# KiCad board panelized.kicad_pcb (continued)
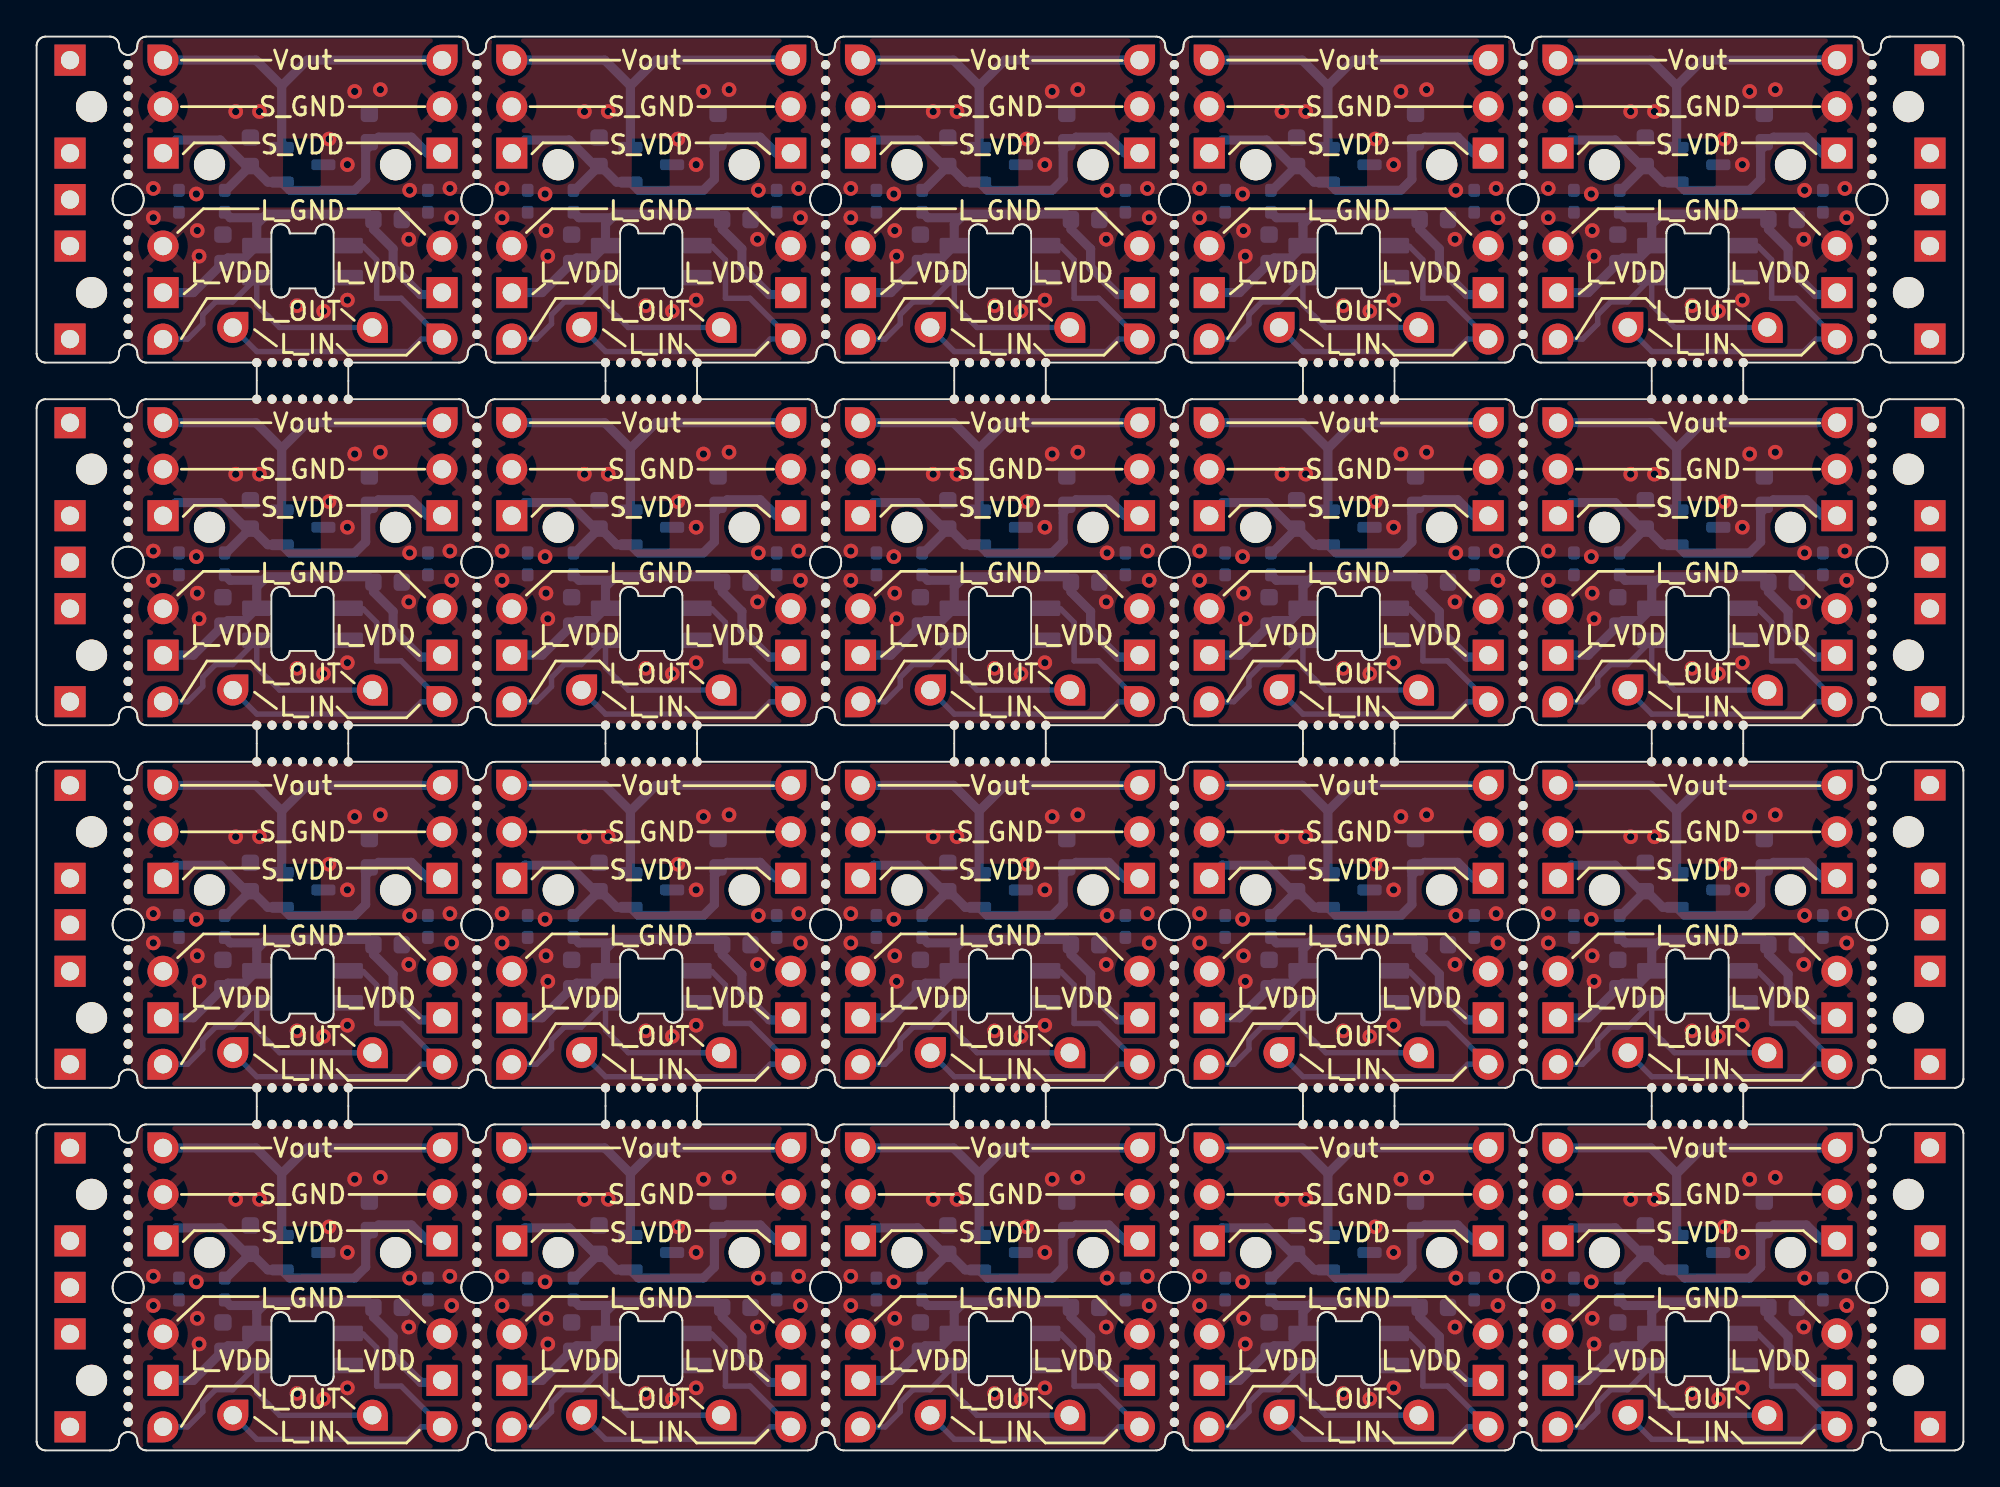
[diagram p0: board, top side]
## Routing (per net, layer and track width the routed paths; a pad name or vN(x,y) marks a point on that pad's centre or on a via; arc(x,y) is an arc through that point) (continued)
Board_3-VDDA: length 21.1
  Bottom w0.5: R3#13.2 67.5,68.84 C4#7.2 ; J6#12.1 78.5,70.88 77.62,71.74 75.82,71.74 75.12,71.04 75.12,69.44 74.53,68.84 70.98,68.84 U1#20.1 69.78,69.29 68.9,70.17 C4#7.2 ; C4#7.2 68.6,70.17 67.18,71.59 64.77,71.59 J5#6.1
Board_3-Vout: length 19.8
  Bottom w0.5: 70.54,74.55 69.13,75.95 J10#4.1 ; 70.54,74.55 71.94,75.95 J9#12.1 ; 70.54,74.55 U1#20.2
Board_4-GNDA:
  vias: v1(82.57,68.94) v1(84.93,68.64) v1(87.07,73.14) v1(88.38,73.14) v1(92.18,71.64) v1(93.18,70.24) v1(93.57,74.24) v1(94.97,74.34) v1(96.57,68.84) v1(98.78,68.94)
Board_4-GNDD:
  vias: v1(82.57,67.34) v1(84.97,66.64) v1(85.07,65.24) v1(90.43,62.54) v1(91.88,62.24) v1(93.18,62.84) v1(96.53,66.17) v1(98.88,67.34)
Board_4-LED_IN: length 20.7
  Bottom w0.3: J13#10.1 88.23,60.03 96.54,60.03 97.22,60.71 J14#7.1 96.12,62.94 94.78,62.94 94.78,65.04 94.04,65.78 93.27,65.78 D1#7.4 93.24,65.82
Board_4-LED_OUT: length 15.1
  Bottom w0.3: J12#14.1 84.44,60.71 85.28,61.54 85.28,62.04 85.97,62.74 86.9,62.74 D1#7.2 88.22,62.58 88.82,61.98 88.84,61.98 89.47,61.35 J11#3.1
Board_4-VDD: length 22.7
  Bottom w0.5: R3#8.1 86.78,67.34 88.57,67.34 ; J1#13.1 98.24,63.14 97.18,63.14 95.68,64.64 95.68,65.64 94.6,66.72 C2#9.2 94.31,67.54 88.77,67.54 88.57,67.34 ; 88.57,67.34 88.22,66.99 D1#7.1 87.55,65.14 86.65,65.14 C1#2.2 84.76,63.25 J2#10.1
Board_4-VDDA: length 21.1
  Bottom w0.5: R3#8.2 86.55,68.84 C4.2 ; J6#10.1 97.54,70.88 96.68,71.74 94.88,71.74 94.18,71.04 94.18,69.44 93.57,68.84 90.03,68.84 U1#9.1 88.83,69.29 87.95,70.17 C4.2 ; C4.2 87.65,70.17 86.23,71.59 83.82,71.59 J5#4.1
Board_4-Vout: length 19.8
  Bottom w0.5: 89.59,74.55 88.19,75.95 J10#6.1 ; 89.59,74.55 90.99,75.95 J9#14.1 ; 89.59,74.55 U1#9.2
Board_5-GNDA:
  vias: v1(6.38,49.13) v1(8.72,48.83) v1(10.88,53.33) v1(12.17,53.33) v1(15.97,51.83) v1(16.97,50.43) v1(17.38,54.43) v1(18.78,54.53) v1(20.38,49.03) v1(22.58,49.13)
Board_5-GNDD:
  vias: v1(6.38,47.53) v1(8.78,46.83) v1(8.88,45.43) v1(14.22,42.73) v1(15.67,42.43) v1(16.97,43.03) v1(20.33,46.36) v1(22.67,47.53)
Board_5-LED_IN: length 20.7
  Bottom w0.3: J13#18.1 12.03,40.22 20.34,40.22 21.02,40.9 J14#5.1 19.92,43.13 18.58,43.13 18.58,45.23 17.84,45.97 17.07,45.97 D1#11.4 17.04,46.01
Board_5-LED_OUT: length 15.1
  Bottom w0.3: J12#11.1 8.25,40.9 9.08,41.73 9.08,42.23 9.78,42.93 10.7,42.93 D1#11.2 12.03,42.77 12.62,42.17 12.64,42.17 13.27,41.54 J11#13.1
Board_5-VDD: length 22.7
  Bottom w0.5: R3#3.1 10.58,47.53 12.38,47.53 ; J1#15.1 22.03,43.33 20.97,43.33 19.47,44.83 19.47,45.83 18.4,46.91 18.4,47.43 18.11,47.73 12.57,47.73 12.38,47.53 ; 12.38,47.53 12.03,47.18 D1#11.1 11.35,45.33 10.45,45.33 C1#17.2 8.56,43.44 J2#6.1
Board_5-VDDA: length 21.1
  Bottom w0.5: R3#3.2 10.35,49.03 C4#2.2 ; J6#13.1 21.34,51.06 20.47,51.93 18.67,51.93 17.97,51.23 17.97,49.63 17.38,49.03 13.83,49.03 U1#4.1 12.63,49.48 11.75,50.36 C4#2.2 ; C4#2.2 11.45,50.36 10.03,51.78 7.62,51.78 J5.1
Board_5-Vout: length 19.8
  Bottom w0.5: 13.39,54.74 11.98,56.14 J10#13.1 ; 13.39,54.74 14.79,56.14 J9#17.1 ; 13.39,54.74 U1#4.2
Board_6-GNDA:
  vias: v1(25.42,49.13) v1(27.78,48.83) v1(29.92,53.33) v1(31.22,53.33) v1(35.03,51.83) v1(36.03,50.43) v1(36.43,54.43) v1(37.82,54.53) v1(39.43,49.03) v1(41.62,49.13)
Board_6-GNDD:
  vias: v1(25.42,47.53) v1(27.83,46.83) v1(27.92,45.43) v1(33.28,42.73) v1(34.72,42.43) v1(36.03,43.03) v1(39.38,46.36) v1(41.72,47.53)
Board_6-LED_IN: length 20.7
  Bottom w0.3: J13#17.1 31.08,40.22 39.39,40.22 40.07,40.9 J14#16.1 38.97,43.13 37.62,43.13 37.62,45.23 36.89,45.97 36.12,45.97 D1#5.4 36.09,46.01
Board_6-LED_OUT: length 15.1
  Bottom w0.3: J12#2.1 27.3,40.9 28.12,41.73 28.12,42.23 28.83,42.93 29.75,42.93 D1#5.2 31.08,42.77 31.67,42.17 31.69,42.17 32.32,41.54 J11.1
Board_6-VDD: length 22.7
  Bottom w0.5: R3#10.1 29.63,47.53 31.42,47.53 ; J1#3.1 41.09,43.33 40.03,43.33 38.53,44.83 38.53,45.83 37.45,46.91 C2#7.2 37.16,47.73 31.62,47.73 31.42,47.53 ; 31.42,47.53 31.08,47.18 D1#5.1 30.4,45.33 29.5,45.33 C1#13.2 27.61,43.44 J2#7.1
Board_6-VDDA: length 21.1
  Bottom w0.5: R3#10.2 29.4,49.03 C4#11.2 ; J6#3.1 40.4,51.06 39.53,51.93 37.72,51.93 37.03,51.23 37.03,49.63 36.43,49.03 32.88,49.03 U1#8.1 31.68,49.48 30.8,50.36 C4#11.2 ; C4#11.2 30.5,50.36 29.08,51.78 26.67,51.78 J5#17.1
Board_6-Vout: length 19.8
  Bottom w0.5: 32.44,54.74 31.03,56.14 J10#15.1 ; 32.44,54.74 33.84,56.14 J9#20.1 ; 32.44,54.74 U1#8.2
Board_7-GNDA:
  vias: v1(44.47,49.13) v1(46.82,48.83) v1(48.97,53.33) v1(50.28,53.33) v1(54.07,51.83) v1(55.07,50.43) v1(55.47,54.43) v1(56.88,54.53) v1(58.47,49.03) v1(60.68,49.13)
Board_7-GNDD:
  vias: v1(44.47,47.53) v1(46.88,46.83) v1(46.97,45.43) v1(52.32,42.73) v1(53.78,42.43) v1(55.07,43.03) v1(58.43,46.36) v1(60.78,47.53)
Board_7-LED_IN: length 20.7
  Bottom w0.3: J13#13.1 50.13,40.22 58.44,40.22 59.12,40.9 J14#9.1 58.01,43.13 56.68,43.13 56.68,45.23 55.94,45.97 55.17,45.97 D1#15.4 55.14,46.01
Board_7-LED_OUT: length 15.1
  Bottom w0.3: J12#8.1 46.34,40.9 47.18,41.73 47.18,42.23 47.88,42.93 48.8,42.93 D1#15.2 50.12,42.77 50.72,42.17 50.74,42.17 51.37,41.54 J11#16.1
Board_7-VDD: length 22.7
  Bottom w0.5: R3#2.1 48.68,47.53 50.47,47.53 ; J1#19.1 60.13,43.33 59.07,43.33 57.57,44.83 57.57,45.83 56.5,46.91 C2#15.2 56.21,47.73 50.67,47.73 50.47,47.53 ; 50.47,47.53 50.12,47.18 D1#15.1 49.45,45.33 48.55,45.33 C1#15.2 46.66,43.44 J2#19.1
Board_7-VDDA: length 21.1
  Bottom w0.5: R3#2.2 48.45,49.03 C4#20.2 ; J6#4.1 59.44,51.06 58.57,51.93 56.78,51.93 56.07,51.23 56.07,49.63 55.47,49.03 51.93,49.03 U1#2.1 50.73,49.48 49.85,50.36 C4#20.2 ; C4#20.2 49.55,50.36 48.13,51.78 45.72,51.78 J5#18.1
Board_7-Vout: length 19.8
  Bottom w0.5: 51.49,54.74 50.09,56.14 J10#11.1 ; 51.49,54.74 52.89,56.14 J9#10.1 ; 51.49,54.74 U1#2.2
Board_8-GNDA:
  vias: v1(63.53,49.13) v1(65.88,48.83) v1(68.03,53.33) v1(69.32,53.33) v1(73.12,51.83) v1(74.12,50.43) v1(74.53,54.43) v1(75.93,54.53) v1(77.53,49.03) v1(79.72,49.13)
Board_8-GNDD:
  vias: v1(63.53,47.53) v1(65.93,46.83) v1(66.03,45.43) v1(71.38,42.73) v1(72.82,42.43) v1(74.12,43.03) v1(77.48,46.36) v1(79.82,47.53)
Board_8-LED_IN: length 20.7
  Bottom w0.3: J13#14.1 69.18,40.22 77.49,40.22 78.17,40.9 J14#19.1 77.06,43.13 75.72,43.13 75.72,45.23 74.99,45.97 74.22,45.97 D1#16.4 74.19,46.01
Board_8-LED_OUT: length 15.1
  Bottom w0.3: J12#17.1 65.4,40.9 66.22,41.73 66.22,42.23 66.93,42.93 67.85,42.93 D1#16.2 69.18,42.77 69.77,42.17 69.78,42.17 70.42,41.54 J11#14.1
Board_8-VDD: length 22.7
  Bottom w0.5: R3#4.1 67.73,47.53 69.53,47.53 ; J1#10.1 79.19,43.33 78.12,43.33 76.62,44.83 76.62,45.83 75.55,46.91 C2#18.2 75.25,47.73 69.72,47.73 69.53,47.53 ; 69.53,47.53 69.18,47.18 D1#16.1 68.5,45.33 67.6,45.33 C1#19.2 65.71,43.44 J2#12.1
Board_8-VDDA: length 21.1
  Bottom w0.5: R3#4.2 67.5,49.03 C4#4.2 ; J6#17.1 78.5,51.06 77.62,51.93 75.82,51.93 75.12,51.23 75.12,49.63 74.53,49.03 70.98,49.03 U1#5.1 69.78,49.48 68.9,50.36 C4#4.2 ; C4#4.2 68.6,50.36 67.18,51.78 64.77,51.78 J5#19.1
Board_8-Vout: length 19.8
  Bottom w0.5: 70.54,54.74 69.13,56.14 J10#7.1 ; 70.54,54.74 71.94,56.14 J9#9.1 ; 70.54,54.74 U1#5.2
Board_9-GNDA:
  vias: v1(82.57,49.13) v1(84.93,48.83) v1(87.07,53.33) v1(88.38,53.33) v1(92.18,51.83) v1(93.18,50.43) v1(93.57,54.43) v1(94.97,54.53) v1(96.57,49.03) v1(98.78,49.13)
Board_9-GNDD:
  vias: v1(82.57,47.53) v1(84.97,46.83) v1(85.07,45.43) v1(90.43,42.73) v1(91.88,42.43) v1(93.18,43.03) v1(96.53,46.36) v1(98.88,47.53)
Board_9-LED_IN: length 20.7
  Bottom w0.3: J13#5.1 88.23,40.22 96.54,40.22 97.22,40.9 J14#6.1 96.12,43.13 94.78,43.13 94.78,45.23 94.04,45.97 93.27,45.97 D1#4.4 93.24,46.01
Board_9-LED_OUT: length 15.1
  Bottom w0.3: J12#19.1 84.44,40.9 85.28,41.73 85.28,42.23 85.97,42.93 86.9,42.93 D1#4.2 88.22,42.77 88.82,42.17 88.84,42.17 89.47,41.54 J11#8.1
Board_9-VDD: length 22.7
  Bottom w0.5: R3#17.1 86.78,47.53 88.57,47.53 ; J1#6.1 98.24,43.33 97.18,43.33 95.68,44.83 95.68,45.83 94.6,46.91 C2#3.2 94.31,47.73 88.77,47.73 88.57,47.53 ; 88.57,47.53 88.22,47.18 D1#4.1 87.55,45.33 86.65,45.33 C1#14.2 84.76,43.44 J2#17.1
Board_9-VDDA: length 21.1
  Bottom w0.5: R3#17.2 86.55,49.03 C4#9.2 ; J6#8.1 97.54,51.06 96.68,51.93 94.88,51.93 94.18,51.23 94.18,49.63 93.57,49.03 90.03,49.03 U1#10.1 88.83,49.48 87.95,50.36 C4#9.2 ; C4#9.2 87.65,50.36 86.23,51.78 83.82,51.78 J5#5.1
Board_9-Vout: length 19.8
  Bottom w0.5: 89.59,54.74 88.19,56.14 J10#3.1 ; 89.59,54.74 90.99,56.14 J9#6.1 ; 89.59,54.74 U1#10.2
Board_10-GNDA:
  vias: v1(6.38,29.32) v1(8.72,29.02) v1(10.88,33.52) v1(12.17,33.52) v1(15.97,32.02) v1(16.97,30.62) v1(17.38,34.62) v1(18.78,34.72) v1(20.38,29.22) v1(22.58,29.32)
Board_10-GNDD:
  vias: v1(6.38,27.72) v1(8.78,27.02) v1(8.88,25.62) v1(14.22,22.92) v1(15.67,22.62) v1(16.97,23.22) v1(20.33,26.55) v1(22.67,27.72)
Board_10-LED_IN: length 20.7
  Bottom w0.3: J13#9.1 12.03,20.41 20.34,20.41 21.02,21.09 J14#11.1 19.92,23.32 18.58,23.32 18.58,25.42 17.84,26.16 17.07,26.16 D1#18.4 17.04,26.2
Board_10-LED_OUT: length 15.1
  Bottom w0.3: J12#6.1 8.25,21.09 9.08,21.92 9.08,22.42 9.78,23.12 10.7,23.12 D1#18.2 12.03,22.96 12.62,22.36 12.64,22.36 13.27,21.73 J11#15.1
Board_10-VDD: length 22.7
  Bottom w0.5: R3#14.1 10.58,27.72 12.38,27.72 ; J1#2.1 22.03,23.52 20.97,23.52 19.47,25.02 19.47,26.02 18.4,27.1 18.4,27.62 18.11,27.92 12.57,27.92 12.38,27.72 ; 12.38,27.72 12.03,27.38 D1#18.1 11.35,25.52 10.45,25.52 C1#4.2 8.56,23.63 J2#20.1
Board_10-VDDA: length 21.1
  Bottom w0.5: R3#14.2 10.35,29.22 C4#15.2 ; J6#11.1 21.34,31.25 20.47,32.12 18.67,32.12 17.97,31.42 17.97,29.82 17.38,29.22 13.83,29.22 U1#3.1 12.63,29.67 11.75,30.55 C4#15.2 ; C4#15.2 11.45,30.55 10.03,31.97 7.62,31.97 J5#10.1
Board_10-Vout: length 19.8
  Bottom w0.5: 13.39,34.93 11.98,36.33 J10#18.1 ; 13.39,34.93 14.79,36.33 J9.1 ; 13.39,34.93 U1#3.2
Board_11-GNDA:
  vias: v1(25.42,29.32) v1(27.78,29.02) v1(29.92,33.52) v1(31.22,33.52) v1(35.03,32.02) v1(36.03,30.62) v1(36.43,34.62) v1(37.82,34.72) v1(39.43,29.22) v1(41.62,29.32)
Board_11-GNDD:
  vias: v1(25.42,27.72) v1(27.83,27.02) v1(27.92,25.62) v1(33.28,22.92) v1(34.72,22.62) v1(36.03,23.22) v1(39.38,26.55) v1(41.72,27.72)
Board_11-LED_IN: length 20.7
  Bottom w0.3: J13#19.1 31.08,20.41 39.39,20.41 40.07,21.09 J14#12.1 38.97,23.32 37.62,23.32 37.62,25.42 36.89,26.16 36.12,26.16 D1#19.4 36.09,26.2
Board_11-LED_OUT: length 15.1
  Bottom w0.3: J12#18.1 27.3,21.09 28.12,21.92 28.12,22.42 28.83,23.12 29.75,23.12 D1#19.2 31.08,22.96 31.67,22.36 31.69,22.36 32.32,21.73 J11#9.1
Board_11-VDD: length 22.7
  Bottom w0.5: R3#15.1 29.63,27.72 31.42,27.72 ; J1#20.1 41.09,23.52 40.03,23.52 38.53,25.02 38.53,26.02 37.45,27.1 C2#11.2 37.16,27.92 31.62,27.92 31.42,27.72 ; 31.42,27.72 31.08,27.38 D1#19.1 30.4,25.52 29.5,25.52 C1#7.2 27.61,23.63 J2#5.1
Board_11-VDDA: length 21.1
  Bottom w0.5: R3#15.2 29.4,29.22 C4#12.2 ; J6#18.1 40.4,31.25 39.53,32.12 37.72,32.12 37.03,31.42 37.03,29.82 36.43,29.22 32.88,29.22 U1#7.1 31.68,29.67 30.8,30.55 C4#12.2 ; C4#12.2 30.5,30.55 29.08,31.97 26.67,31.97 J5#16.1
Board_11-Vout: length 19.8
  Bottom w0.5: 32.44,34.93 31.03,36.33 J10#19.1 ; 32.44,34.93 33.84,36.33 J9#2.1 ; 32.44,34.93 U1#7.2
Board_12-GNDA:
  vias: v1(44.47,29.32) v1(46.82,29.02) v1(48.97,33.52) v1(50.28,33.52) v1(54.07,32.02) v1(55.07,30.62) v1(55.47,34.62) v1(56.88,34.72) v1(58.47,29.22) v1(60.68,29.32)
Board_12-GNDD:
  vias: v1(44.47,27.72) v1(46.88,27.02) v1(46.97,25.62) v1(52.32,22.92) v1(53.78,22.62) v1(55.07,23.22) v1(58.43,26.55) v1(60.78,27.72)
Board_12-LED_IN: length 20.7
  Bottom w0.3: J13.1 50.13,20.41 58.44,20.41 59.12,21.09 J14#8.1 58.01,23.32 56.68,23.32 56.68,25.42 55.94,26.16 55.17,26.16 D1#10.4 55.14,26.2
Board_12-LED_OUT: length 15.1
  Bottom w0.3: J12#7.1 46.34,21.09 47.18,21.92 47.18,22.42 47.88,23.12 48.8,23.12 D1#10.2 50.12,22.96 50.72,22.36 50.74,22.36 51.37,21.73 J11#11.1
Board_12-VDD: length 22.7
  Bottom w0.5: R3#5.1 48.68,27.72 50.47,27.72 ; J1#16.1 60.13,23.52 59.07,23.52 57.57,25.02 57.57,26.02 56.5,27.1 C2#6.2 56.21,27.92 50.67,27.92 50.47,27.72 ; 50.47,27.72 50.12,27.38 D1#10.1 49.45,25.52 48.55,25.52 C1.2 46.66,23.63 J2#4.1
Board_12-VDDA: length 21.1
  Bottom w0.5: R3#5.2 48.45,29.22 C4#8.2 ; J6#16.1 59.44,31.25 58.57,32.12 56.78,32.12 56.07,31.42 56.07,29.82 55.47,29.22 51.93,29.22 U1#6.1 50.73,29.67 49.85,30.55 C4#8.2 ; C4#8.2 49.55,30.55 48.13,31.97 45.72,31.97 J5#8.1
Board_12-Vout: length 19.8
  Bottom w0.5: 51.49,34.93 50.09,36.33 J10#14.1 ; 51.49,34.93 52.89,36.33 J9#19.1 ; 51.49,34.93 U1#6.2
Board_13-GNDA:
  vias: v1(63.53,29.32) v1(65.88,29.02) v1(68.03,33.52) v1(69.32,33.52) v1(73.12,32.02) v1(74.12,30.62) v1(74.53,34.62) v1(75.93,34.72) v1(77.53,29.22) v1(79.72,29.32)
Board_13-GNDD:
  vias: v1(63.53,27.72) v1(65.93,27.02) v1(66.03,25.62) v1(71.38,22.92) v1(72.82,22.62) v1(74.12,23.22) v1(77.48,26.55) v1(79.82,27.72)
Board_13-LED_IN: length 20.7
  Bottom w0.3: J13#2.1 69.18,20.41 77.49,20.41 78.17,21.09 J14#10.1 77.06,23.32 75.72,23.32 75.72,25.42 74.99,26.16 74.22,26.16 D1#20.4 74.19,26.2
Board_13-LED_OUT: length 15.1
  Bottom w0.3: J12#3.1 65.4,21.09 66.22,21.92 66.22,22.42 66.93,23.12 67.85,23.12 D1#20.2 69.18,22.96 69.77,22.36 69.78,22.36 70.42,21.73 J11#12.1
Board_13-VDD: length 22.7
  Bottom w0.5: R3#20.1 67.73,27.72 69.53,27.72 ; J1#12.1 79.19,23.52 78.12,23.52 76.62,25.02 76.62,26.02 75.55,27.1 C2#12.2 75.25,27.92 69.72,27.92 69.53,27.72 ; 69.53,27.72 69.18,27.38 D1#20.1 68.5,25.52 67.6,25.52 C1#20.2 65.71,23.63 J2#18.1
Board_13-VDDA: length 21.1
  Bottom w0.5: R3#20.2 67.5,29.22 C4#18.2 ; J6#9.1 78.5,31.25 77.62,32.12 75.82,32.12 75.12,31.42 75.12,29.82 74.53,29.22 70.98,29.22 U1#13.1 69.78,29.67 68.9,30.55 C4#18.2 ; C4#18.2 68.6,30.55 67.18,31.97 64.77,31.97 J5#12.1
Board_13-Vout: length 19.8
  Bottom w0.5: 70.54,34.93 69.13,36.33 J10#16.1 ; 70.54,34.93 71.94,36.33 J9#18.1 ; 70.54,34.93 U1#13.2
Board_14-GNDA:
  vias: v1(82.57,29.32) v1(84.93,29.02) v1(87.07,33.52) v1(88.38,33.52) v1(92.18,32.02) v1(93.18,30.62) v1(93.57,34.62) v1(94.97,34.72) v1(96.57,29.22) v1(98.78,29.32)
Board_14-GNDD:
  vias: v1(82.57,27.72) v1(84.97,27.02) v1(85.07,25.62) v1(90.43,22.92) v1(91.88,22.62) v1(93.18,23.22) v1(96.53,26.55) v1(98.88,27.72)
Board_14-LED_IN: length 20.7
  Bottom w0.3: J13#12.1 88.23,20.41 96.54,20.41 97.22,21.09 J14#17.1 96.12,23.32 94.78,23.32 94.78,25.42 94.04,26.16 93.27,26.16 D1#17.4 93.24,26.2
Board_14-LED_OUT: length 15.1
  Bottom w0.3: J12#9.1 84.44,21.09 85.28,21.92 85.28,22.42 85.97,23.12 86.9,23.12 D1#17.2 88.22,22.96 88.82,22.36 88.84,22.36 89.47,21.73 J11#4.1
Board_14-VDD: length 22.7
  Bottom w0.5: R3#18.1 86.78,27.72 88.57,27.72 ; J1.1 98.24,23.52 97.18,23.52 95.68,25.02 95.68,26.02 94.6,27.1 C2#17.2 94.31,27.92 88.77,27.92 88.57,27.72 ; 88.57,27.72 88.22,27.38 D1#17.1 87.55,25.52 86.65,25.52 C1#6.2 84.76,23.63 J2.1
Board_14-VDDA: length 21.1
  Bottom w0.5: R3#18.2 86.55,29.22 C4#10.2 ; J6#15.1 97.54,31.25 96.68,32.12 94.88,32.12 94.18,31.42 94.18,29.82 93.57,29.22 90.03,29.22 U1#14.1 88.83,29.67 87.95,30.55 C4#10.2 ; C4#10.2 87.65,30.55 86.23,31.97 83.82,31.97 J5#14.1
Board_14-Vout: length 19.8
  Bottom w0.5: 89.59,34.93 88.19,36.33 J10#8.1 ; 89.59,34.93 90.99,36.33 J9#5.1 ; 89.59,34.93 U1#14.2
Board_15-GNDA:
  vias: v1(6.38,9.52) v1(8.72,9.21) v1(10.88,13.71) v1(12.17,13.71) v1(15.97,12.21) v1(16.97,10.81) v1(17.38,14.81) v1(18.78,14.91) v1(20.38,9.41) v1(22.58,9.52)
Board_15-GNDD:
  vias: v1(6.38,7.91) v1(8.78,7.21) v1(8.88,5.81) v1(14.22,3.11) v1(15.67,2.81) v1(16.97,3.41) v1(20.33,6.74) v1(22.67,7.91)
Board_15-LED_IN: length 20.7
  Bottom w0.3: J13#7.1 12.03,0.6 20.34,0.6 21.02,1.28 J14#15.1 19.92,3.52 18.58,3.52 18.58,5.61 17.84,6.35 17.07,6.35 D1#9.4 17.04,6.39
Board_15-LED_OUT: length 15.1
  Bottom w0.3: J12#4.1 8.25,1.28 9.08,2.11 9.08,2.61 9.78,3.31 10.7,3.31 D1#9.2 12.03,3.15 12.62,2.55 12.64,2.55 13.27,1.92 J11#18.1
Board_15-VDD: length 22.7
  Bottom w0.5: R3#9.1 10.58,7.91 12.38,7.91 ; J1#17.1 22.03,3.71 20.97,3.71 19.47,5.21 19.47,6.21 18.4,7.29 18.4,7.81 18.11,8.11 12.57,8.11 12.38,7.91 ; 12.38,7.91 12.03,7.56 D1#9.1 11.35,5.71 10.45,5.71 C1#9.2 8.56,3.82 J2#2.1
Board_15-VDDA: length 21.1
  Bottom w0.5: R3#9.2 10.35,9.41 C4#14.2 ; J6#2.1 21.34,11.44 20.47,12.31 18.67,12.31 17.97,11.61 17.97,10.02 17.38,9.41 13.83,9.41 U1#17.1 12.63,9.86 11.75,10.74 C4#14.2 ; C4#14.2 11.45,10.74 10.03,12.16 7.62,12.16 J5#13.1
Board_15-Vout: length 19.8
  Bottom w0.5: 13.39,15.12 11.98,16.52 J10#12.1 ; 13.39,15.12 14.79,16.52 J9#7.1 ; 13.39,15.12 U1#17.2
Board_16-GNDA:
  vias: v1(25.42,9.52) v1(27.78,9.21) v1(29.92,13.71) v1(31.22,13.71) v1(35.03,12.21) v1(36.03,10.81) v1(36.43,14.81) v1(37.82,14.91) v1(39.43,9.41) v1(41.62,9.52)
Board_16-GNDD:
  vias: v1(25.42,7.91) v1(27.83,7.21) v1(27.92,5.81) v1(33.28,3.11) v1(34.72,2.81) v1(36.03,3.41) v1(39.38,6.74) v1(41.72,7.91)
Board_16-LED_IN: length 20.7
  Bottom w0.3: J13#6.1 31.08,0.6 39.39,0.6 40.07,1.28 J14#13.1 38.97,3.52 37.62,3.52 37.62,5.61 36.89,6.35 36.12,6.35 D1#3.4 36.09,6.39
Board_16-LED_OUT: length 15.1
  Bottom w0.3: J12.1 27.3,1.28 28.12,2.11 28.12,2.61 28.83,3.31 29.75,3.31 D1#3.2 31.08,3.15 31.67,2.55 31.69,2.55 32.32,1.92 J11#7.1
Board_16-VDD: length 22.7
  Bottom w0.5: R3#12.1 29.63,7.91 31.42,7.91 ; J1#4.1 41.09,3.71 40.03,3.71 38.53,5.21 38.53,6.21 37.45,7.29 C2#8.2 37.16,8.11 31.62,8.11 31.42,7.91 ; 31.42,7.91 31.08,7.56 D1#3.1 30.4,5.71 29.5,5.71 C1#11.2 27.61,3.82 J2#15.1
Board_16-VDDA: length 21.1
  Bottom w0.5: R3#12.2 29.4,9.41 C4#13.2 ; J6#20.1 40.4,11.44 39.53,12.31 37.72,12.31 37.03,11.61 37.03,10.02 36.43,9.41 32.88,9.41 U1#15.1 31.68,9.86 30.8,10.74 C4#13.2 ; C4#13.2 30.5,10.74 29.08,12.16 26.67,12.16 J5#11.1
Board_16-Vout: length 19.8
  Bottom w0.5: 32.44,15.12 31.03,16.52 J10#9.1 ; 32.44,15.12 33.84,16.52 J9#4.1 ; 32.44,15.12 U1#15.2
Board_17-GNDA:
  vias: v1(44.47,9.52) v1(46.82,9.21) v1(48.97,13.71) v1(50.28,13.71) v1(54.07,12.21) v1(55.07,10.81) v1(55.47,14.81) v1(56.88,14.91) v1(58.47,9.41) v1(60.68,9.52)
Board_17-GNDD:
  vias: v1(44.47,7.91) v1(46.88,7.21) v1(46.97,5.81) v1(52.32,3.11) v1(53.78,2.81) v1(55.07,3.41) v1(58.43,6.74) v1(60.78,7.91)
Board_17-LED_IN: length 20.7
  Bottom w0.3: J13#4.1 50.13,0.6 58.44,0.6 59.12,1.28 J14#18.1 58.01,3.52 56.68,3.52 56.68,5.61 55.94,6.35 55.17,6.35 D1#8.4 55.14,6.39
Board_17-LED_OUT: length 15.1
  Bottom w0.3: J12#20.1 46.34,1.28 47.18,2.11 47.18,2.61 47.88,3.31 48.8,3.31 D1#8.2 50.12,3.15 50.72,2.55 50.74,2.55 51.37,1.92 J11#2.1
Board_17-VDD: length 22.7
  Bottom w0.5: R3#19.1 48.68,7.91 50.47,7.91 ; J1#5.1 60.13,3.71 59.07,3.71 57.57,5.21 57.57,6.21 56.5,7.29 C2#14.2 56.21,8.11 50.67,8.11 50.47,7.91 ; 50.47,7.91 50.12,7.56 D1#8.1 49.45,5.71 48.55,5.71 C1#18.2 46.66,3.82 J2#9.1
Board_17-VDDA: length 21.1
  Bottom w0.5: R3#19.2 48.45,9.41 C4#17.2 ; J6#7.1 59.44,11.44 58.57,12.31 56.78,12.31 56.07,11.61 56.07,10.02 55.47,9.41 51.93,9.41 U1#16.1 50.73,9.86 49.85,10.74 C4#17.2 ; C4#17.2 49.55,10.74 48.13,12.16 45.72,12.16 J5#15.1
Board_17-Vout: length 19.8
  Bottom w0.5: 51.49,15.12 50.09,16.52 J10#5.1 ; 51.49,15.12 52.89,16.52 J9#3.1 ; 51.49,15.12 U1#16.2
Board_18-GNDA:
  vias: v1(63.53,9.52) v1(65.88,9.21) v1(68.03,13.71) v1(69.32,13.71) v1(73.12,12.21) v1(74.12,10.81) v1(74.53,14.81) v1(75.93,14.91) v1(77.53,9.41) v1(79.72,9.52)
Board_18-GNDD:
  vias: v1(63.53,7.91) v1(65.93,7.21) v1(66.03,5.81) v1(71.38,3.11) v1(72.82,2.81) v1(74.12,3.41) v1(77.48,6.74) v1(79.82,7.91)
Board_18-LED_IN: length 20.7
  Bottom w0.3: J13#8.1 69.18,0.6 77.49,0.6 78.17,1.28 J14#4.1 77.06,3.52 75.72,3.52 75.72,5.61 74.99,6.35 74.22,6.35 D1.4 74.19,6.39
Board_18-LED_OUT: length 15.1
  Bottom w0.3: J12#12.1 65.4,1.28 66.22,2.11 66.22,2.61 66.93,3.31 67.85,3.31 D1.2 69.18,3.15 69.77,2.55 69.78,2.55 70.42,1.92 J11#17.1
Board_18-VDD: length 22.7
  Bottom w0.5: R3.1 67.73,7.91 69.53,7.91 ; J1#8.1 79.19,3.71 78.12,3.71 76.62,5.21 76.62,6.21 75.55,7.29 C2#2.2 75.25,8.11 69.72,8.11 69.53,7.91 ; 69.53,7.91 69.18,7.56 D1.1 68.5,5.71 67.6,5.71 C1#16.2 65.71,3.82 J2#16.1
Board_18-VDDA: length 21.1
  Bottom w0.5: R3.2 67.5,9.41 C4#5.2 ; J6#5.1 78.5,11.44 77.62,12.31 75.82,12.31 75.12,11.61 75.12,10.02 74.53,9.41 70.98,9.41 U1#12.1 69.78,9.86 68.9,10.74 C4#5.2 ; C4#5.2 68.6,10.74 67.18,12.16 64.77,12.16 J5#9.1
Board_18-Vout: length 19.8
  Bottom w0.5: 70.54,15.12 69.13,16.52 J10#10.1 ; 70.54,15.12 71.94,16.52 J9#16.1 ; 70.54,15.12 U1#12.2
Board_19-GNDA:
  vias: v1(82.57,9.52) v1(84.93,9.21) v1(87.07,13.71) v1(88.38,13.71) v1(92.18,12.21) v1(93.18,10.81) v1(93.57,14.81) v1(94.97,14.91) v1(96.57,9.41) v1(98.78,9.52)
Board_19-GNDD:
  vias: v1(82.57,7.91) v1(84.97,7.21) v1(85.07,5.81) v1(90.43,3.11) v1(91.88,2.81) v1(93.18,3.41) v1(96.53,6.74) v1(98.88,7.91)
Board_19-LED_IN: length 20.7
  Bottom w0.3: J13#15.1 88.23,0.6 96.54,0.6 97.22,1.28 J14#20.1 96.12,3.52 94.78,3.52 94.78,5.61 94.04,6.35 93.27,6.35 D1#2.4 93.24,6.39
Board_19-LED_OUT: length 15.1
  Bottom w0.3: J12#5.1 84.44,1.28 85.28,2.11 85.28,2.61 85.97,3.31 86.9,3.31 D1#2.2 88.22,3.15 88.82,2.55 88.84,2.55 89.47,1.92 J11#20.1
Board_19-VDD: length 22.7
  Bottom w0.5: R3#11.1 86.78,7.91 88.57,7.91 ; J1#18.1 98.24,3.71 97.18,3.71 95.68,5.21 95.68,6.21 94.6,7.29 C2#20.2 94.31,8.11 88.77,8.11 88.57,7.91 ; 88.57,7.91 88.22,7.56 D1#2.1 87.55,5.71 86.65,5.71 C1#8.2 84.76,3.82 J2#14.1
Board_19-VDDA: length 21.1
  Bottom w0.5: R3#11.2 86.55,9.41 C4#19.2 ; J6#19.1 97.54,11.44 96.68,12.31 94.88,12.31 94.18,11.61 94.18,10.02 93.57,9.41 90.03,9.41 U1#19.1 88.83,9.86 87.95,10.74 C4#19.2 ; C4#19.2 87.65,10.74 86.23,12.16 83.82,12.16 J5#20.1
Board_19-Vout: length 19.8
  Bottom w0.5: 89.59,15.12 88.19,16.52 J10#20.1 ; 89.59,15.12 90.99,16.52 J9#8.1 ; 89.59,15.12 U1#19.2

## Copper pours and planes (outline as drawn; the poured copper is in the pictures)
Board_0-GNDA on Top, Bottom: 5.12,77.14 23.92,77.14 23.92,68.64 5.12,68.64
Board_0-GNDD on Top, Bottom: 5.14,67.9 5.14,59.53 23.94,59.53 23.94,67.9
Board_1-GNDA on Top, Bottom: 24.17,77.14 42.97,77.14 42.97,68.64 24.17,68.64
Board_1-GNDD on Top, Bottom: 24.19,67.9 24.19,59.53 43,59.53 43,67.9
Board_2-GNDA on Top, Bottom: 43.22,77.14 62.03,77.14 62.03,68.64 43.22,68.64
Board_2-GNDD on Top, Bottom: 43.25,67.9 43.25,59.53 62.04,59.53 62.04,67.9
Board_3-GNDA on Top, Bottom: 62.28,77.14 81.07,77.14 81.07,68.64 62.28,68.64
Board_3-GNDD on Top, Bottom: 62.29,67.9 62.29,59.53 81.09,59.53 81.09,67.9
Board_4-GNDA on Top, Bottom: 81.32,77.14 100.12,77.14 100.12,68.64 81.32,68.64
Board_4-GNDD on Top, Bottom: 81.34,67.9 81.34,59.53 100.15,59.53 100.15,67.9
Board_5-GNDA on Top, Bottom: 5.12,57.33 23.92,57.33 23.92,48.83 5.12,48.83
Board_5-GNDD on Top, Bottom: 5.14,48.09 5.14,39.72 23.94,39.72 23.94,48.09
Board_6-GNDA on Top, Bottom: 24.17,57.33 42.97,57.33 42.97,48.83 24.17,48.83
Board_6-GNDD on Top, Bottom: 24.19,48.09 24.19,39.72 43,39.72 43,48.09
Board_7-GNDA on Top, Bottom: 43.22,57.33 62.03,57.33 62.03,48.83 43.22,48.83
Board_7-GNDD on Top, Bottom: 43.25,48.09 43.25,39.72 62.04,39.72 62.04,48.09
Board_8-GNDA on Top, Bottom: 62.28,57.33 81.07,57.33 81.07,48.83 62.28,48.83
Board_8-GNDD on Top, Bottom: 62.29,48.09 62.29,39.72 81.09,39.72 81.09,48.09
Board_9-GNDA on Top, Bottom: 81.32,57.33 100.12,57.33 100.12,48.83 81.32,48.83
Board_9-GNDD on Top, Bottom: 81.34,48.09 81.34,39.72 100.15,39.72 100.15,48.09
Board_10-GNDA on Top, Bottom: 5.12,37.52 23.92,37.52 23.92,29.02 5.12,29.02
Board_10-GNDD on Top, Bottom: 5.14,28.28 5.14,19.91 23.94,19.91 23.94,28.28
Board_11-GNDA on Top, Bottom: 24.17,37.52 42.97,37.52 42.97,29.02 24.17,29.02
Board_11-GNDD on Top, Bottom: 24.19,28.28 24.19,19.91 43,19.91 43,28.28
Board_12-GNDA on Top, Bottom: 43.22,37.52 62.03,37.52 62.03,29.02 43.22,29.02
Board_12-GNDD on Top, Bottom: 43.25,28.28 43.25,19.91 62.04,19.91 62.04,28.28
Board_13-GNDA on Top, Bottom: 62.28,37.52 81.07,37.52 81.07,29.02 62.28,29.02
Board_13-GNDD on Top, Bottom: 62.29,28.28 62.29,19.91 81.09,19.91 81.09,28.28
Board_14-GNDA on Top, Bottom: 81.32,37.52 100.12,37.52 100.12,29.02 81.32,29.02
Board_14-GNDD on Top, Bottom: 81.34,28.28 81.34,19.91 100.15,19.91 100.15,28.28
Board_15-GNDA on Top, Bottom: 5.12,17.71 23.92,17.71 23.92,9.21 5.12,9.21
Board_15-GNDD on Top, Bottom: 5.14,8.47 5.14,0.1 23.94,0.1 23.94,8.47
Board_16-GNDA on Top, Bottom: 24.17,17.71 42.97,17.71 42.97,9.21 24.17,9.21
Board_16-GNDD on Top, Bottom: 24.19,8.47 24.19,0.1 43,0.1 43,8.47
Board_17-GNDA on Top, Bottom: 43.22,17.71 62.03,17.71 62.03,9.21 43.22,9.21
Board_17-GNDD on Top, Bottom: 43.25,8.47 43.25,0.1 62.04,0.1 62.04,8.47
Board_18-GNDA on Top, Bottom: 62.28,17.71 81.07,17.71 81.07,9.21 62.28,9.21
Board_18-GNDD on Top, Bottom: 62.29,8.47 62.29,0.1 81.09,0.1 81.09,8.47
Board_19-GNDA on Top, Bottom: 81.32,17.71 100.12,17.71 100.12,9.21 81.32,9.21
Board_19-GNDD on Top, Bottom: 81.34,8.47 81.34,0.1 100.15,0.1 100.15,8.47

## Text on the board
B.Silkscreen: Short     R3 / to share VDD | Short     R1&2 / to share GND | LVDD | Vout | S_GND | S_VDD | L_OUT | L_IN | L_GND
F.Silkscreen: L_VDD | L_OUT | Vout | S_GND | S_VDD | L_GND | L_IN
